# Altium PCB AI Gateway - Carrier.PcbDoc (part 2 of 3)
Units mm, origin at the board's own origin, x right, y up, seen from the top; angles counter-clockwise.
Board outline 140.01 x 100.04 mm, 4 copper layers (L1, L2/GND, L3/PWR, L4), stack 1.55 mm thick; 244 components, 230 nets, 1110 pads, 346 vias.
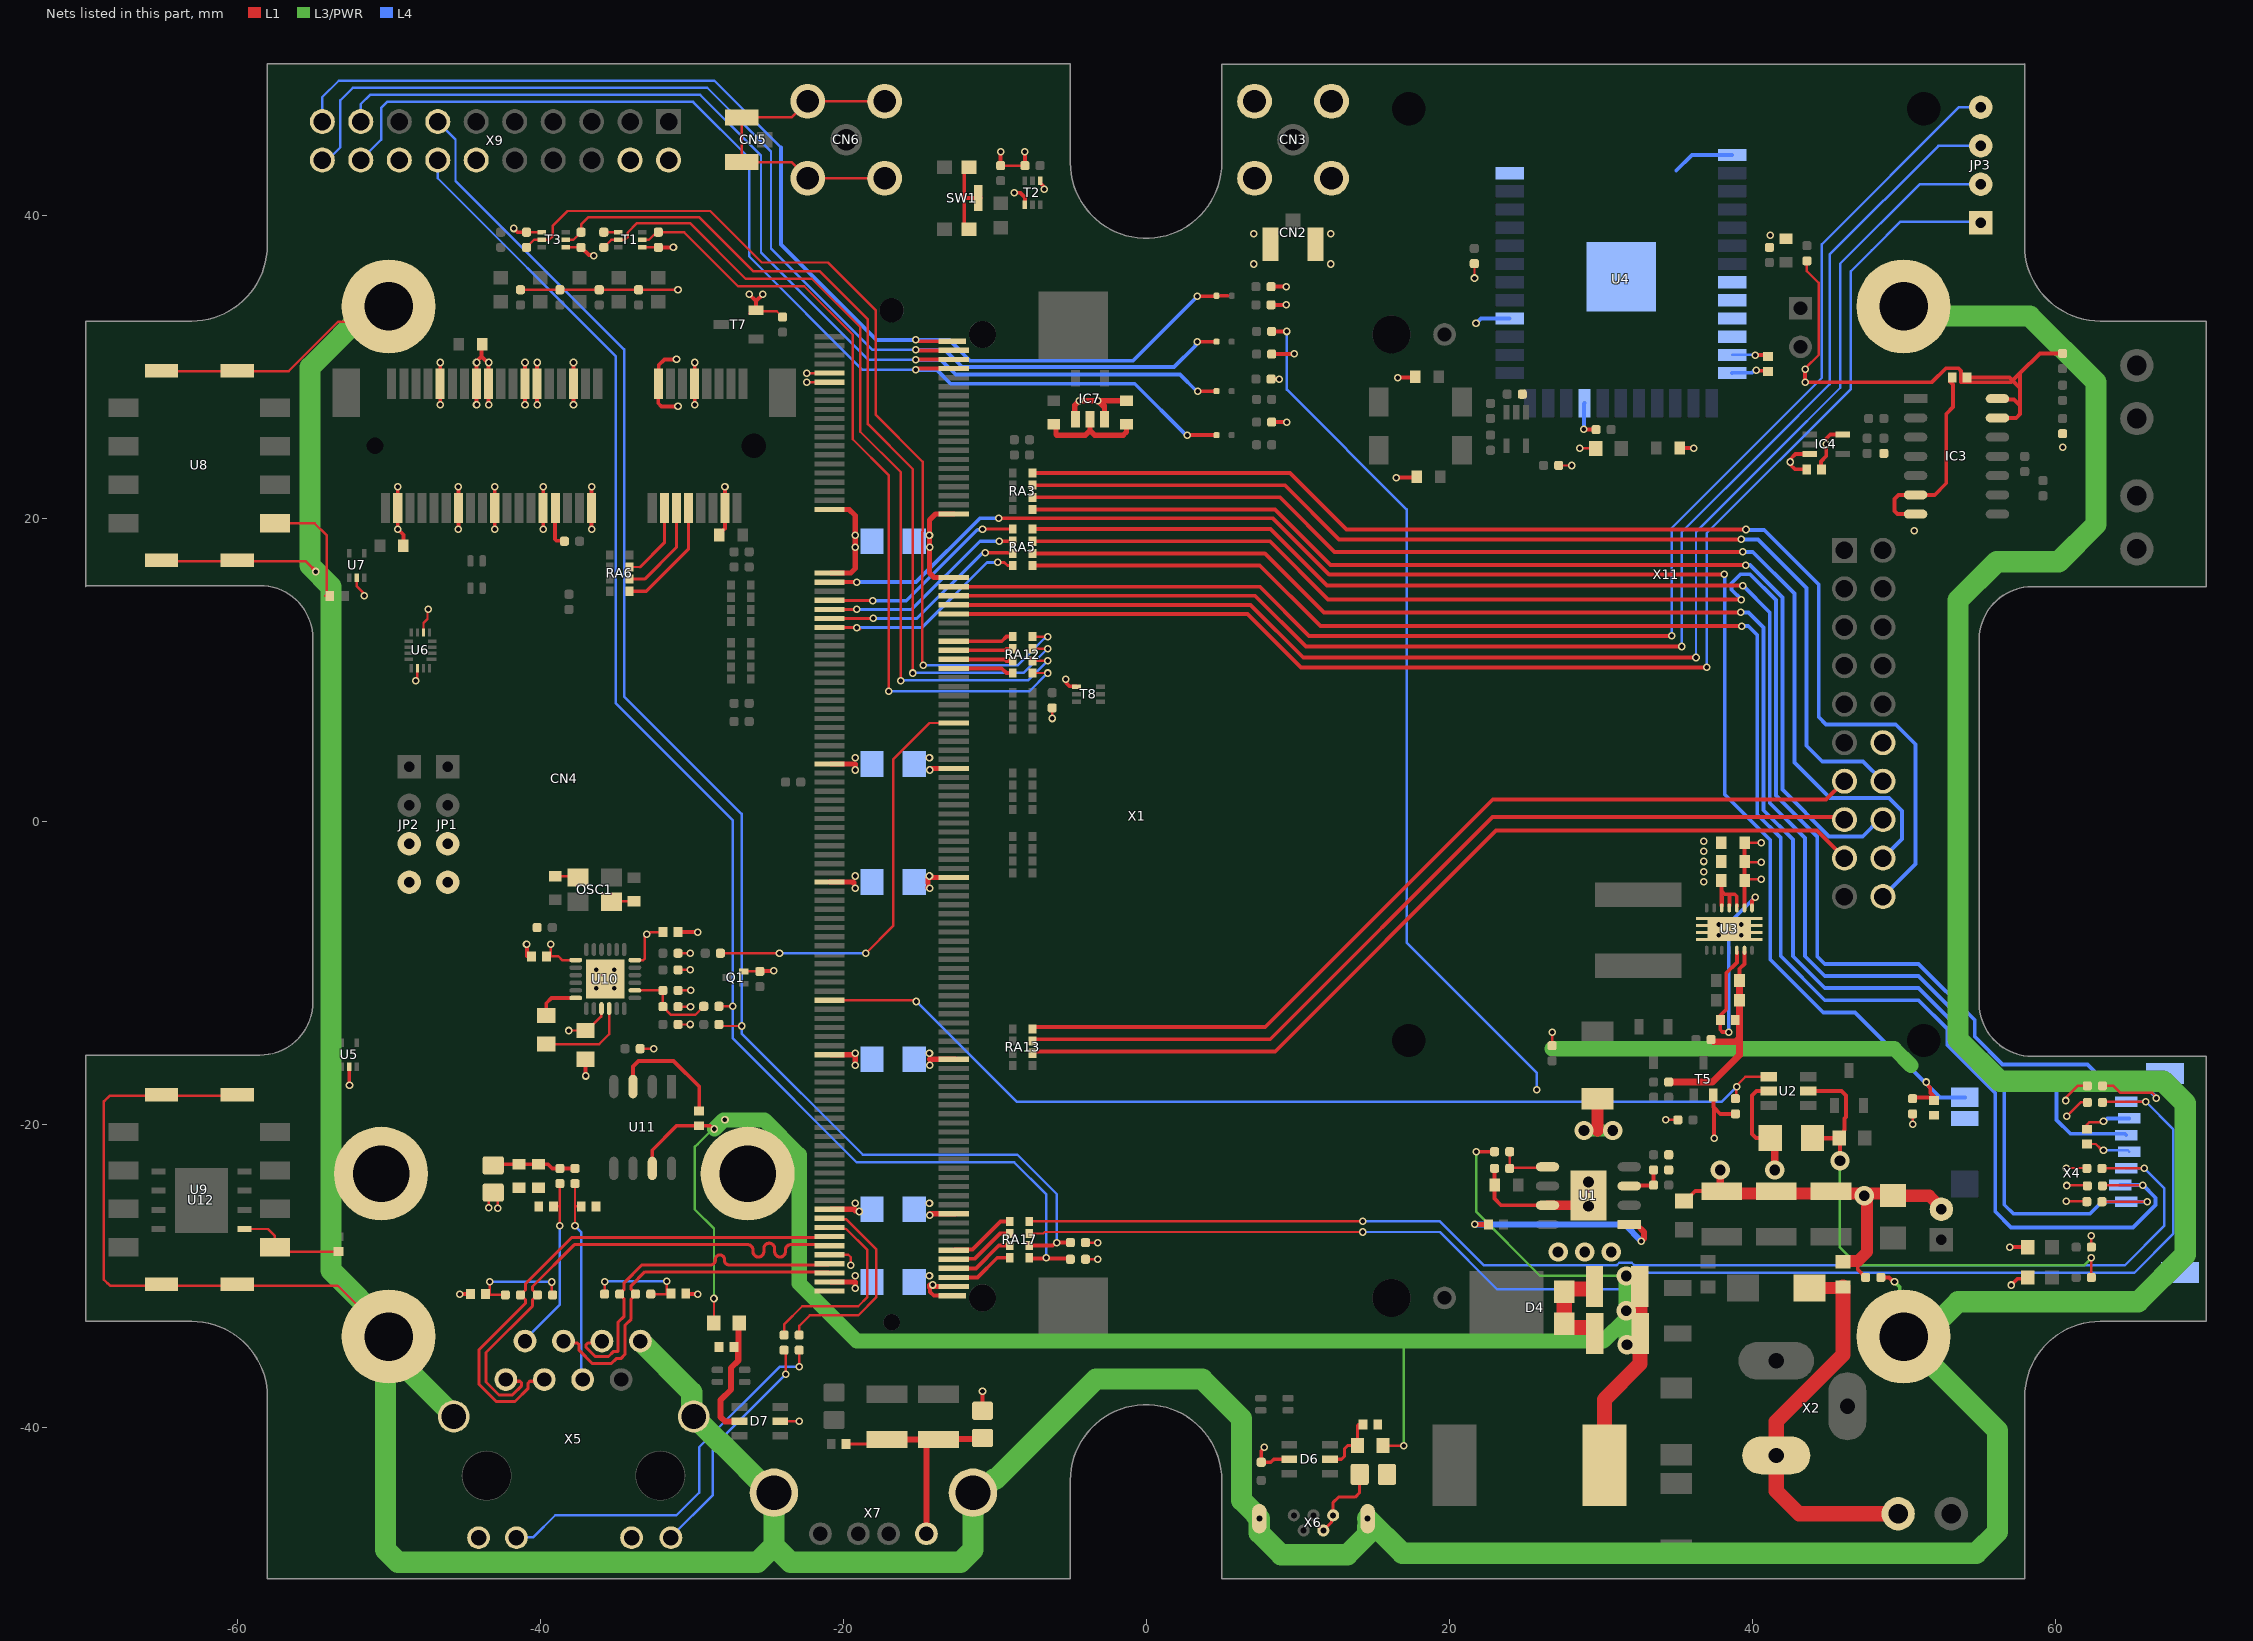
[diagram p4: the nets of this part, all layers, seen from the top]

## Part data
C1 C2 C3 C4 C5 C6: library part C-4.7uF-50V-20%-1210, "Capacitor Ceramic X7R 4.7uF 50V 20% 1206", Rating=50V, Supplier Part Number 1=1276-2789-1-ND, TOLERANCE=10%, FP_DESC=C1206, Supplier 1=Digi-Key, Type=X7R
C7 C11 C27 C28 C29 C30 C31 C34 C35 C39 C40 C46 C55 C56 C57 C58 C60 C61 C62: library part C-100nF-16V-10%-0603, "Capacitor Ceramic X7R 100nF 16V 10% 0603", Rating=16V, Supplier Part Number 1=1276-1001-1-ND, TOLERANCE=10%, Footprint Checked=-, FP_DESC=C0402, Supplier 1=Digi-Key, Type=X7R
C8 C9 C10: library part C-10uF-50V-20%-1210, "Capacitor Ceramic X5R 10uF 50V 20% 1210", Rating=50V, Supplier Part Number 1=587-2225-1-ND, TOLERANCE=20%, FP_DESC=C1210, Supplier 1=Digi-Key, Type=X7R
C14: library part C-0.22uF-50V-10%-0805, "Capacitor Ceramic X7R 0.22uF 50V 10% 0805", Rating=50V, Supplier Part Number 1=1276-1093-1-ND, TOLERANCE=10%, FP_DESC=C0805, Supplier 1=Digi-Key, Type=X7R
C15 C16 C38 C59: library part C-47uF-10V-20%-1210, "Capacitor Ceramic X5R 47uF 10V 20% 1210", Rating=10V, Supplier Part Number 1=445-6711-1-ND, TOLERANCE=20%, FP_DESC=C1210, Supplier 1=Digi-Key, Type=X5R
C17 C18: library part C-10uF-10V-20%-1206, "Capacitor Tantalum 10uF 10V 20% 1206", Rating=10V, Supplier Part Number 1=478-1657-1-ND, TOLERANCE=20%, FP_DESC=C1206, Supplier 1=Digi-Key, Type=Tantalum
C19 C47: library part C-27nF-50V-10%-0603, "Capacitor Ceramic X7R 27nF 50V 10% 0603", Rating=50V, Supplier Part Number 1=1276-2025-1-ND, TOLERANCE=10%, FP_DESC=C0603, Supplier 1=Digi-Key, Type=X7R
C20 C21: library part C-2.2uF-6.3V-20%-0603, "Capacitor Ceramic X5R 2.2uF 6.3V 20% 0603", Rating=6.3V, Supplier Part Number 1=311-1814-1-ND, TOLERANCE=20%, FP_DESC=C0603, Supplier 1=Digi-Key, Type=X5R
C22 C23 C45 C48 C49 C50: library part C-10uF-6.3V-20%-0603, "Capacitor Ceramic X5R 10uF 6.3V 20% 0603", Rating=6.3V, Supplier Part Number 1=490-3896-1-ND, TOLERANCE=20%, FP_DESC=C0603, Supplier 1=Digi-Key, Type=X7R
C24 C25 C26: library part C-22uF-6.3V-20%-0603, "Capacitor Ceramic X5R 22uF 6.3V 20% 0603", Rating=6.3V, Supplier Part Number 1=445-8028-1-ND, TOLERANCE=20%, FP_DESC=C0603, Supplier 1=Digi-Key, Type=X5R
C32 C33: library part C-47uF-6.3V-20%-0603, "Capacitor Ceramic X5R 47uF 6.3V 20% 0603", Rating=6.3V, Supplier Part Number 1=490-13247-1-ND, TOLERANCE=20%, FP_DESC=C0603, Supplier 1=Digi-Key, Type=X5R
C36 C37: library part C-22pF-50V-10%-0603, "Capacitor Ceramic C0G 22pF 50V 10% 0603", Rating=50V, Supplier Part Number 1=478-7914-1-ND, TOLERANCE=10%, FP_DESC=C0603, Supplier 1=Digi-Key, Type=C0G
C41 C44: library part C-1uF-25V-10%-0805, "Capacitor Ceramic X7R 1uF 25V 10% 0805", Rating=25V, Supplier Part Number 1=399-8004-1-ND, TOLERANCE=10%, FP_DESC=C0805, Supplier 1=Digi-Key, Type=X7R
C42 C43: library part C-18pF-50V-5%-0603, "Capacitor Ceramic C0G 18pF 50V 5% 0603", Rating=50V, Supplier Part Number 1=311-1061-1-ND, TOLERANCE=5%, FP_DESC=C0603, Supplier 1=Digi-Key, Type=C0G
CN1: library part CON-JST-B2B-PH-K-S(LF)(SN), "Connector Header Through Hole 2 position 0.079\" (2.00mm)", Supplier Part Number 1=455-1704-ND, Footprint Checked="Assign OK, Footprint OK", FP_DESC="Header, Male pins, 1x2, 2mm, Vertical", MFG=JST, MFG_PN=B2B-PH-K-S(LF)(SN), Supplier 1=Digi-Key, Symbol Checked=Ok
CN2 CN5: library part CON-TE-A118077CT-ND, "U.FL (UMCC) Connector Jack, Male Pin 50Ohm Surface Mount Solder", Supplier Part Number 1=A118077DKR-ND, Footprint Checked="Assign OK, Footprint OK", FP_DESC="U.FL connector", MFG="TE Connectivity AMP Connectors", MFG_PN=A118077CT-ND, Supplier 1=Digi-Key, Symbol Checked=Ok
CN3: library part CON-Taoglas-PCB.RPSMAFRA.HT, "RP-SMA Conector Jack, clavija macho 50Ohm Orificio pasante, ángulo recto Soldadura", Supplier Part Number 1=931-1360-ND, Footprint Checked="Assign OK, Footprint OK", FP_DESC="SMA, Right angle", MFG="Taoglas Limited", MFG_PN=PCB.SMAFRA.HT, Supplier 1=Digi-Key, Symbol Checked=Ok
CN4: library part CON-TE-2041262-1, "52 Position Female Connector PCI Express Mini Card Gold 0.031\" (0.80mm) Black", Supplier Part Number 1=A125147CT-ND, Footprint Checked="Assign OK, Footprint OK", FP_DESC=miniPCIe, MFG=TE, MFG_PN=2041262-1, Supplier 1=Digi-Key, Symbol Checked=Ok
CN6: library part CON-Taoglas-PCB.SMAFRA.HT, "SMA Connector Jack, Female Socket 50Ohm Through Hole, Right Angle Solder", Supplier Part Number 1=931-1361-ND, Footprint Checked="Assign OK, Footprint OK", FP_DESC="SMA, Right angle", MFG="Taoglas Limited", MFG_PN=PCB.SMAFRA.HT, Supplier 1=Digi-Key, Symbol Checked=Ok
D1 D3 D5: library part "D-NXP- PMEG4050ETP,115", "Diode Schottky 40V 5A Surface Mount CFP5", Supplier Part Number 1=1727-1732-1-ND, Footprint Checked=-, MFG="Nexperia USA Inc.", MFG_PN=PMEG4050ETP,115, Supplier 1=Digi-Key, Symbol Checked=-
D2: library part D-Vishay-SMAJ36CA, "58.1V Clamp 6.9A Ipp Tvs Diode Surface Mount DO-214AC (SMA)", Supplier Part Number 1=SMAJ36CALFCT-ND, Footprint Checked="Assign OK, Footprint OK", FP_DESC=SMA, MFG=Vishay, MFG_PN=SMAJ36CA, Supplier 1=Digi-Key, Symbol Checked=Ok
D4: library part D-Vishay-SS5P5-M3/87A, "Diode Schottky, SS5P5-M3/87A, 50V(Vrrm), 5A(If)", Supplier Part Number 1=SS5P5-M3/87AGICT-ND, Footprint Checked=-, MFG=Vishay, MFG_PN=SS8P6C-M3/86A, Supplier 1=Digi-Key, Symbol Checked=-
D6 D7: library part D-Semtech-RClamp0504S, "TVS Array low cap", Supplier Part Number 1=RCLAMP0504SCT-ND, Footprint Checked=-, MFG=Semtech, MFG_PN=RCLAMP0504S, Supplier 1=Digi-Key, Symbol Checked=-
F1: library part F-BEL-3A-63V, "3A 63V AC 63V DC Fuse Board Mount (Cartridge Style Excluded) Surface Mount 1206 (3216 Metric)", POWER=250mW, Supplier Part Number 1=507-1896-1-ND, Footprint Checked=-, FP_DESC=R1206, MFG=BEL, MFG_PN=0685T3000-01, Supplier 1=Digi-Key, Symbol Checked=-
IC3: library part IC-Renesas-ISL83491IBZ-T, "Transceptor 1/1 Completo RS422, RS485 14-SOIC", Supplier Part Number 1=ISL83491IBZ-TCT-ND, Footprint Checked=-, MFG="Renesas Electronics America Inc", MFG_PN=ISL83491IBZ-T, Supplier 1=Digi-Key, Symbol Checked=-
IC4 IC5: library part IC-TI-SN74LVC1G04, "IC INVERTER 1CH 1-INP SC70-5", Supplier Part Number 1=296-11600-1-ND, Footprint Checked=-, MFG="Texas Instruments", MFG_PN=SN74LVC1G04, Supplier 1=Digi-Key
  IC4: Symbol Checked="M - D"
  IC5: Symbol Checked=-
IC7: library part IC-ON-NCP511SN33T1G, "NCP511SN33T1G LDO Regulator", Supplier Part Number 1=NCP511SN33T1GOSCT-ND, Footprint Checked=-, MFG="ON Semiconductor", MFG_PN=NCP511SN33T1G, Supplier 1=Digi-Key, Symbol Checked=-
JP1 JP2 JP3: library part "Header 1x4", "Header male, 1x4 Pins, 2.54 mm pitch", Supplier Part Number 1=732-5317-ND, Footprint Checked=-, MFG="Würth Elektronik", MFG_PN=61300411121, No. of ways=1x2, Pitch="2.54 mm", Supplier 1=Digi-Key, Symbol Checked=-
JP4: "Header, 2-Pin", LatestRevisionDate=17-Jul-2002, LatestRevisionNote="Re-released for DXP Platform.", Publisher="Altium Limited"
JP7 JP8 JP9 JP10: "SMD jumper normally closed", Footprint Checked=-, Symbol Checked=-
L1 L2 L9 L12 L16: library part L-Murata-30R@100MHz-5A-0603, "30 Ohms @ 100MHz 1 Power Line Ferrite Bead 0603 (1608 Metric) 5A 10mOhm", Rating=4A, Supplier Part Number 1=490-5447-1-ND, TOLERANCE=25%, Footprint Checked="Ok, Assign Ok", MFG=EXC-ML20A390U, Supplier 1=Digi-Key, Symbol Checked=-
L3: library part L-Bourns-SRR1280-150M, "FIXED IND 15UH 5.2A 28.5MOHM SMD", Supplier Part Number 1=SRR1280-150MCT-ND, Footprint Checked=-, FP_DESC="Non Standard", MFG="Bourns Inc.", MFG_PN=SRR1280-150M, Supplier 1=Digi-Key, Symbol Checked=-
L4: library part L-1.5uH-4.2A-30%, "Inductor Ferrite core 1.5uH 4.2A 30%", Supplier Part Number 1=587-2937-1-ND, Footprint Checked=-, FP_DESC=L1008, MFG="TAIYO YUDEN", MFG_PN=NRS6028T1R5NMGJ, Supplier 1=Digi-Key, Symbol Checked=-
L5 L8 L11 L13: library part L-Murata-220R@100MHz-2A-0805, "220 Ohms @ 100MHz 1 Power Line Ferrite Bead 0805 (2012 Metric) 2A 45mOhm", Rating=4A, Supplier Part Number 1=490-1054-1-ND, TOLERANCE=25%, Footprint Checked=-, MFG=EXC-ML20A390U, Supplier 1=Digi-Key, Symbol Checked=-
L7 L10 L14: library part L-Murata-DLW21SN900SQ2-90R@100MHz-330mA-25%, "Common Mode Choke High Speed 90R 330mA", Rating=330mA, Supplier Part Number 1=490-5137-1-ND, TOLERANCE=25%, Footprint Checked=-, MFG=Murata, MFG_PN=DLW21SN900SQ2, Supplier 1=Digi-Key, Symbol Checked=-
LED1 LED5 LED8: library part LED-RED-0603, "Red 625nm LED Indication - Discrete 2V 0603 (1608 Metric)", Color=Red, Supplier Part Number 1=732-4978-1-ND, Footprint Checked=-, MFG="Würth Elektronik", MFG_PN=150060RS75000, Supplier 1=Digi-Key, Symbol Checked=-
LED2: library part LED-YELLOW-0603, "Yellow 590nm LED Indication - Discrete 2V 0603 (1608 Metric)", Color=Yellow, Supplier Part Number 1=732-4981-1-ND, Footprint Checked=-, MFG="Würth Elektronik", MFG_PN=150060YS75000, Supplier 1=Digi-Key, Symbol Checked=-
LED3 LED6 LED7: library part LED-GREEN-0603, "Green 520nm LED Indication - Discrete 3.2V 0603 (1608 Metric)", Color=Green, Supplier Part Number 1=732-4971-1-ND, Footprint Checked=-, MFG="Würth Elektronik", MFG_PN=150060GS75000, Supplier 1=Digi-Key, Symbol Checked=-
LED4: library part LED-BLUE-0603, "Blue 470nm LED Indication - Discrete 3.2V 0603 (1608 Metric)", Color=Blue, Supplier Part Number 1=732-4966-1-ND, Footprint Checked=-, MFG="Würth Elektronik", MFG_PN=150060BS75000, Supplier 1=Digi-Key, Symbol Checked=-
MH1 MH2 MH3 MH4: "PCB Mounting Holes, hole diemeter = 3.2mm, pad diameter = 6.2mm", Footprint Checked=-, Symbol Checked=-
OSC1: library part OSC-ABM8G-24.000MHZ-18-D2Y-T, "24MHz ±20ppm Crystal 18pF 60 Ohms 4-SMD, No Lead", Supplier Part Number 1=535-10273-1-ND, TOLERANCE=30ppm, Footprint Checked=-, MFG=HORIZON, MFG_PN=HEX24-24000MHz-18-50R-F-H2-T2-W2-T, Supplier 1=Digi-Key, Symbol Checked=-
OSC2: library part OSC-ABS25-32.768KHZ-T, "32.768kHz ±20ppm Cristal 12.5pF  4-SOJ, 5.50mm step", Supplier Part Number 1=535-9166-1-ND, TOLERANCE=20ppm, Footprint Checked=-, MFG=ABRACON, MFG_PN=ABS25-32.768KHZ-T, Supplier 1=Digi-Key, Symbol Checked=-
Q1: library part T-Rohm-RUM001L02T2CL, "N-Channel 20V 100mA (Ta) 150mW (Ta) Surface Mount VMT3", Supplier Part Number 1=RUM001L02T2CLCT-ND, Footprint Checked=Ok, FP_DESC=SOT-723, MFG="Rohm Semiconductor Inc.", MFG_PN=RUM001L02T2CL, Supplier 1=Digi-Key, Symbol Checked=-
R1 R2 R3 R21 R65: library part R-120R-1%-0402, "Resistor 120ohm 63mW 1% 0402", POWER=63mW, Supplier Part Number 1=541-120LCT-ND, TOLERANCE=1%, Footprint Checked=-, MFG=<GENERIC>, MFG_PN=<GENERIC>, Supplier 1=Digi-Key, Symbol Checked=-
R4 R6 R7 R10 R11 R27 R49 R52 R69 R78 R79 R81 R82 R86 R87: library part R-100K-1%-0402, "Resistor 100Kohm 63mW 1% 0402", Manufacturer=<GENERIC>, POWER=63mW, Supplier Part Number 1=541-100KLCT-ND, TOLERANCE=1%, Manufacturer Part Number=<GENERIC>, Replacement Allowed=Yes, Supplier 1=Digi-Key
R5 R68 R90 R91 R92 R93 R94: library part R-22R-1%-0402, "Resistor 22ohm 63mW 1% 0402", POWER=63mW, Supplier Part Number 1=541-22.0LCT-ND, TOLERANCE=1%, Footprint Checked=-, MFG=<GENERIC>, MFG_PN=<GENERIC>, Supplier 1=Digi-Key, Symbol Checked=-
R8 R9 R22: library part R-6.8R-1%-0402, "Resistor 6.8ohm 63mW 1% 0402", Manufacturer=<GENERIC>, POWER=63mW, Supplier Part Number 1=541-68.0LCT-ND, TOLERANCE=1%, Manufacturer Part Number=<GENERIC>, Replacement Allowed=Yes, Supplier 1=Digi-Key
R12 R13 R23 R42 R45 R63 R66 R84 R85 R89: library part R-0R-0402, "Resistor 0ohm 0402", POWER=?, Supplier Part Number 1=541-2952-1-ND, TOLERANCE=1%, Footprint Checked=-, MFG=<GENERIC>, MFG_PN=<GENERIC>, Supplier 1=Digi-Key, Symbol Checked=-
R14 R18: library part R-47K-1%-0402, "Resistor 47Kohm 63mW 1% 0402", POWER=63mW, Supplier Part Number 1=541-47.0KLCT-ND, TOLERANCE=1%, Footprint Checked=-, MFG=<GENERIC>, MFG_PN=<GENERIC>, Supplier 1=Digi-Key, Symbol Checked=-
R15 R16 R20 R35 R58 R64 R80 R83: library part R-10K-1%-0402, "Resistor 10Kohm 63mW 1% 0402", POWER=63mW, Supplier Part Number 1=541-10.0KLDKR-ND, TOLERANCE=1%, Footprint Checked=-, MFG=<GENERIC>, MFG_PN=<GENERIC>, Supplier 1=Digi-Key, Symbol Checked=-
R17: library part R-10M-1%-0402, "Resistor 10Mohm 63mW 1% 0402", POWER=63mW, Supplier Part Number 1=541-10.0MLCT-ND, TOLERANCE=1%, Footprint Checked=-, MFG=<GENERIC>, MFG_PN=<GENERIC>, Supplier 1=Digi-Key, Symbol Checked=-
R19: library part R-300K-1%-0402, "Resistor 300Kohm 63mW 1% 0402", POWER=63mW, Supplier Part Number 1=541-4882-1-ND, TOLERANCE=1%, Footprint Checked=-, MFG=<GENERIC>, MFG_PN=<GENERIC>, Supplier 1=Digi-Key, Symbol Checked=-
R24: library part R-0.1-1%-0603, "Resistor 0.1ohm 1/3W 1% 0603", POWER=1/3, Supplier Part Number 1=P17478CT-ND, TOLERANCE=1%, Footprint Checked=-, MFG=<GENERIC>, MFG_PN=<GENERIC>, Supplier 1=Digi-Key, Symbol Checked=-
R25: library part R-137K-1%-0402, "Resistor 137Kohm 63mW 1% 0402", POWER=63mW, Supplier Part Number 1=541-137KLCT-ND, TOLERANCE=1%, Footprint Checked=-, MFG=<GENERIC>, MFG_PN=<GENERIC>, Supplier 1=Digi-Key, Symbol Checked=T
R26 R31 R34: library part R-28K-1%-0402, "Resistor 28Kohm 63mW 1% 0402", POWER=63mW, Supplier Part Number 1=541-4852-1-ND, TOLERANCE=1%, Footprint Checked=-, MFG=<GENERIC>, MFG_PN=<GENERIC>, Supplier 1=Digi-Key, Symbol Checked=T
R28 R53: library part R-12K-1%-0402, "Resistor 12Kohm 63mW 1% 0402", POWER=63mW, Supplier Part Number 1=541-4063-1-ND, TOLERANCE=1%, Footprint Checked=-, MFG=<GENERIC>, MFG_PN=<GENERIC>, Supplier 1=Digi-Key, Symbol Checked=T
R29: library part R-40.2K-1%-0402, "Resistor 40.2Kohm 63mW 1% 0402", POWER=63mW, Supplier Part Number 1=541-40.2KLCT-ND, TOLERANCE=1%, Footprint Checked=-, MFG=<GENERIC>, MFG_PN=<GENERIC>, Supplier 1=Digi-Key, Symbol Checked=T
R30 R37 R38 R39 R40: library part R-68K-1%-0402_1, "Resistor 68Kohm 63mW 1% 0402", POWER=63mW, Supplier Part Number 1=541-68.0KLCT-ND, TOLERANCE=1%, Footprint Checked=-, MFG=<GENERIC>, MFG_PN=<GENERIC>, Supplier 1=Digi-Key, Symbol Checked=T
R32 R59 R60 R61 R77: library part R-1M-1%-0402, "Resistor 1Mohm 63mW 1% 0402", Manufacturer=<GENERIC>, POWER=63mW, Supplier Part Number 1=541-1.00MLCT-ND, TOLERANCE=1%, Manufacturer Part Number=<GENERIC>, Replacement Allowed=Yes, Supplier 1=Digi-Key
R33: library part R-75K-1%-0402, "Resistor 75Kohm 63mW 1% 0402", POWER=63mW, Supplier Part Number 1=541-75.0KLCT-ND, TOLERANCE=1%, Footprint Checked=-, MFG=<GENERIC>, MFG_PN=<GENERIC>, Supplier 1=Digi-Key, Symbol Checked=-
R36: library part R-33K-1%-0402, "Resistor 33Kohm 63mW 1% 0402", POWER=63mW, Supplier Part Number 1=541-33.0KLCT-ND, TOLERANCE=1%, Footprint Checked=-, MFG=<GENERIC>, MFG_PN=<GENERIC>, Supplier 1=Digi-Key, Symbol Checked=-
R41 R43 R44 R46: library part R-49.9R-1%-0402, "Resistor 49.9ohm 63mW 1% 0402", Manufacturer=<GENERIC>, POWER=63mW, Supplier Part Number 1=541-49.9LCT-ND, TOLERANCE=1%, Manufacturer Part Number=<GENERIC>, Replacement Allowed=Yes, Supplier 1=Digi-Key
R47 R48 R62: library part R-150R-1%-0402, "Resistor 150ohm 63mW 1% 0402", POWER=63mW, Supplier Part Number 1=541-CRCW0402150RFKTDCT-ND, TOLERANCE=1%, Footprint Checked=-, MFG=<GENERIC>, MFG_PN=<GENERIC>, Supplier 1=Digi-Key, Symbol Checked=-
R50: library part R-560R-1%-0402, "Resistor 560ohm 63mW 1% 0402", POWER=63mW, Supplier Part Number 1=13-AC0402FR-07560RLCT-ND, TOLERANCE=1%, Footprint Checked=-, MFG=<GENERIC>, MFG_PN=<GENERIC>, Supplier 1=Digi-Key, Symbol Checked=-
R51: library part R-1K-1%-0402, "Resistor 1Kohm 63mW 1% 0402", POWER=63mW, Supplier Part Number 1=541-1.00KLCT-ND, TOLERANCE=1%, Footprint Checked=-, MFG=<GENERIC>, MFG_PN=<GENERIC>, Supplier 1=Digi-Key, Symbol Checked=-
R54 R71 R72 R73 R74 R75 R76: library part R-280K-1%-0402, "Resistor 280Kohm 63mW 1% 0402", POWER=63mW, Supplier Part Number 1=541-280KLCT-ND, TOLERANCE=1%, Footprint Checked=-, MFG=<GENERIC>, MFG_PN=<GENERIC>, Supplier 1=Digi-Key, Symbol Checked=-
R67 R70: library part R-680R-1%-0402, "Resistor 680ohm 63mW 1% 0402", POWER=63mW, Supplier Part Number 1=541-680LCT-ND, TOLERANCE=1%, Footprint Checked=-, MFG=<GENERIC>, MFG_PN=<GENERIC>, Supplier 1=Digi-Key, Symbol Checked=-
RA1 RA2 RA3 RA5 RA6 RA7 RA12 RA13 RA17 RA18 RA20: library part RA-22R-5%-1206-div, "Resistor Array 22 R 63mW 5% 1206", Power Dissipation=63mW, Supplier Part Number 1=TC164J-22CT-ND, TOLERANCE=5%, Footprint Checked=-, MFG=Generic, Supplier 1=Digi-Key, Symbol Checked=-
SW1: library part SW-KMR211GLFS-1VA, "Power ON Switch", Rating=1VA, Supplier Part Number 1=401-1426-1-ND, Footprint Checked=-, MFG=C&N, MFG_PN=KMR211GLFS, Supplier 1=Digi-Key, Symbol Checked=-
T1 T2 T3 T8: library part T-Vishay-SI-1024X, "Mosfet Array 2 N-Channel (Dual) 20V 485mA 250mW Surface Mount SC-89-6", Supplier Part Number 1=SI1024X-T1-GE3CT-ND, Footprint Checked=-, MFG=Vishay, MFG_PN=SI-1024-X, Supplier 1=Digi-Key, Symbol Checked=-
T4: library part T-Vishay-SQ2303ES, "P-Channel 30V 2.5A (Tc) 1.9W (Tc) Surface Mount TO-236 (SOT-23)", Supplier Part Number 1=SQ2303ES-T1_GE3CT-ND, Footprint Checked=-, FP_DESC=SOT23-3, MFG=VISHAY, MFG_PN=SQ2303ES-T1_GE3, Supplier 1=Digi-Key, Symbol Checked=-
T5: library part T-NXP-BC857BW, "PNP Transistor NXP BC857BW,135", Supplier Part Number 1=1727-1882-1-ND, Footprint Checked=-, FP_DESC=SOT323, MFG=NXP, MFG_PN=BC857BW,135, Supplier 1=Digi-Key, Symbol Checked=-
T6 T7: library part T-Vishay-Si2365EDS, "MOSFET, P channel Vishay Si2365EDS-T1-GE3", Supplier Part Number 1=SI2365EDS-T1-GE3CT-ND, Footprint Checked=-, FP_DESC=SOT23-3, MFG=VISHAY, MFG_PN=Si2365EDS-T1-GE3, Supplier 1=Digi-Key, Symbol Checked=-
U1: library part IC-TI-LMR14030, "Buck Switching Regulator IC Positive Adjustable 0.8V 1 Output 3.5A 8-PowerSOIC (0.154\", 3.90mm Width)", Supplier Part Number 1=296-44321-1-ND, Footprint Checked=-, MFG="Texas Instruments", Supplier 1=Digi-Key, Symbol Checked=DMT, Type=DEV
U2: library part IC-Microchip-MCP73826, "Charger IC Lithium Ion SOT-23-6", Supplier Part Number 1=MCP73826-4.1VCHCT-ND, Footprint Checked=-, MFG=Microchip, MFG_PN=MCP73826-4.1VCHTR, Supplier 1=Digi-Key, Symbol Checked=D
U3: library part IC-TI-TPS63021, "Buck-Boost Switching Regulator IC Positive Fixed 3.3V 1 Output 3.5A (Switch) 14-VFDFN Exposed Pad", Supplier Part Number 1=296-27259-1-ND, Footprint Checked=D, MFG="Texas Instruments", Supplier 1=Digi-Key, Symbol Checked=-, Type=DEV
U4: library part IC-Microchip-ATWILC3000, "BlueTooth, WiFi 802.11b/g/n, BlueTooth v4.0 Módulos de transceptor RF 2.4GHz Antena no incluida, U.FL Montaje en superficie", Supplier Part Number 1=ATWILC3000-MR110UA-ND, Footprint Checked=-, FP_DESC="ATWILC3000-MR110CA Module", MFG=MICROCHIP, MFG_PN=ATWILC3000-MR110UA, Supplier 1=Digi-Key, Symbol Checked=M
U5 U7: library part D-DZQA5V6AXV5, "13V Clamp 2.5A (8/20µs) Ipp Tvs Diode Surface Mount 5-TSSOP", Supplier Part Number 1=DZQA5V6AXV5DICT-ND, Footprint Checked="Assign OK, Footprint OK", FP_DESC=SOT553, MFG=DIODES, MFG_PN=DZQA5V6AXV5, Supplier 1=Digi-Key, Symbol Checked=Ok
U6: library part IC-NXP-NX3DV2567, "Networking Switch IC 1 Channel 16-XQFN (1.8x2.6)", Supplier Part Number 1=568-5206-1-ND, Footprint Checked=-, FP_DESC=XFQFN-16, MFG=NXP, MFG_PN=NX3DV2567GU,115, Supplier 1=Digi-Key, Symbol Checked=D
U8 U9: library part CON-Molex-115I-AEAA, "MICRO SIM PUSH-PUSH, 6P, SMT, 1.", Supplier Part Number 1=2073-SIM7050-6-0-00-ACT-ND, Footprint Checked="Assign OK, Footprint OK", FP_DESC="microSIM card holder", MFG=GCT, MFG_PN=SIM7050-6-0-00-A, Replacement Allowed=Ask, Supplier 1=Digi-Key, Symbol Checked=Ok
U10: library part IC-Microchip-USB2422-I_MJ, "USB Hub Controller USB 2.0 USB Interface 24-QFN (4x4)", Supplier Part Number 1=USB2422-I/MJ-ND, Footprint Checked=-, Supplier 1=Digi-Key, Symbol Checked=-
U11: library part IC-Microchip-MIC2025-1, "Power Switch/Driver 1:1 N-Channel 500mA 8-MSOP", Supplier Part Number 1=MIC2025-1YM-CT-ND, Footprint Checked=-, MFG="Texas Instruments", MFG_PN=MIC2025, Supplier 1=Digi-Key, Symbol Checked=T
U12: library part IC-ST-ST4SIM-200M, "ESIM SYSTEM ON CHIP FOR M2M INDU", Footprint Checked=-, MFG=STMicroelectronics, MFG_PN=ST4SI2M0004TPIFW, Symbol Checked=-, Type=DEV
X1: library part CON-Tyco-1473005-1-200-0.6mm, "SODIMM Connector", Manufacturer Name=Tyco, Supplier Part Number 1=A121565-ND, Manufacturer Part No.=1473005-1, No. of ways=200, Supplier 1=Digi-Key
X2: library part CON-Tensility-54-00167, "Power Barrel Connector Jack 2.50mm ID (0.098\"), 5.50mm OD (0.217\") Through Hole, Right Angle", Supplier Part Number 1=839-54-00167-ND, Footprint Checked=-, MFG="Tensility International Corp", MFG_PN=54-00167, Supplier 1=Digi-Key, Symbol Checked=-
X3 X8 X10: library part CON-Phoenix-1984617-1x2-3.5mm, "2 Position Wire to Board Terminal Block Horizontal with Board 0.138\" (3.50mm) Through Hole", Supplier Part Number 1=277-1721-ND, Footprint Checked=-, MFG="Phoenix Contact", MFG_PN=1984617, No. of ways=1x2, Pitch=3.5mm, Supplier 1=Digi-Key, Symbol Checked=-
X4: library part CON-GCT-SD-MEM2051-00-195-00-A, "9 (8 + 1) Position Card Connector microSD™ Surface Mount, Right Angle Gold", Supplier Part Number 1=2073-MEM2051-00-195-00-ACT-ND, Footprint Checked=-, MFG=GCT, MFG_PN=MEM2051-00-195-00-A, No. of ways=9, Supplier 1=DigiKey, Symbol Checked=-
X5: library part CON-Pulse-JD2-0001NL, "1 Port RJ45 Magjack Connector Through Hole 10/100 Base-TX, AutoMDIX", Supplier Part Number 1=553-2363-ND, Footprint Checked=-, MFG="Pulse Electronics Network", MFG_PN=J00-0065NL, Supplier 1=Digi-Key, Symbol Checked=-
X6: library part CON-GCT-USB3105-30-A, "Micro USB OTG Connector - TH - Vertical", Supplier Part Number 1=2073-USB3105-30-ACT-ND, Footprint Checked=-, MFG=GCT, MFG_PN=USB3105-30-A, No. of ways=5, Supplier 1=Digi-Key, Symbol Checked=-
X7: library part CON-FCI-UE27AE54100, "USB Type A Connector", Manufacturer Name=FCI, Supplier Part Number 1=UE27AE54100-ND, Manufacturer Part No.=UE27AE54100, No. of ways=4, Supplier 1=Digi-Key
X9: library part CON-Adam-PH2-20-UA-2X10-2.54mm, "Connector Header Through Hole 20 position 0.100\" (2.54mm)", Supplier Part Number 1=2057-PH2-20-UA-ND, Footprint Checked=-, MFG=FCI, MFG_PN=68691-420HLF, No. of ways=2X20, Supplier 1=Digi-Key, Symbol Checked=-
X11: library part CON-Adam-PH2-20-UA-2X10-2.54mm_ThreadModule, "Connector Header Through Hole 20 position 0.100\" (2.54mm)", Supplier Part Number 1=2057-PH2-20-UA-ND, Footprint Checked=-, MFG=FCI, MFG_PN=68691-420HLF, No. of ways=2X20, Supplier 1=Digi-Key, Symbol Checked=-, System=Connector

## Via types
v1: diameter 0.5, hole 0.3, L1 to L4, 332 vias
v2: diameter 1.27, hole 0.711, L1 to L4, 14 vias

## Nets (pads, with @x,y where several pads share a name; then routed paths per layer and width w, separated by ;. In a path a pad name is that pad's centre, name@x,y a point inside that pad or via, vN(x,y) a via of type N, cw(c..) or ccw(c..) an arc to the next point about the centre after c; other vN are vias at no path point)
3.3V: C1.2 C2.2 C3.2 C4.2 C5.2 C6.2 C21.2 C24.2 C25.2 C26.2 C39.2 C40.2 C41.2 C46.2 C56.1 C57.2 C58.2 IC3.13 IC3.14 IC4.5 IC7.1 IC7.3 JP1.4 JP2.4 L5.2 L16.2 R1.2 R2.1 R3.1 R4.2 R8.1 R9.1 R14.2 R15.2 R16.2 R20.1 R22.2 R32.2 R36.2 R37.2 R38.2 R39.2 R40.2 R49.2 R58.2 R61.1 R67.2 R71.2 R79.2 R80.2 R81.2 R82.2 R83.1 T7.2 U3.3 U3.4 U3.5 U4.12 U6.14 U10.1 U10.9 U10.18 X1.40 X1.42 X1.84 X1.108 X1.148 X1.182 X1.198 X1.200 X4.4 X5.9 X5.11 X9.4 | length 150.6
  L1 w0.16: v1(-48.2,9.3) -48.1,9.4 U6.14@-48.1,10.125 ; v1(-43.4,-25.5) -43.4,-24.8 L5.2@-43.1,-24.5 ; L5.2@-43.094,-24.518 -42.794,-24.818 v1(-42.794,-25.518) ; R9.1@-41.3,35.1 v1(-30.9,35.1) ; v1(-39.3,-8.1) -39.3,-8.9 -38.8,-8.9 -38.55,-9.15 U10.1@-37.65,-9.15 ; v1(-38.1,-13.8) C41.2@-37,-13.8 -36.9,-13.8 -35.977,-12.877 -35.977,-12.377 U10.9@-35.95,-12.35 ; U10.18@-33.75,-9.15 -33.194,-9.15 -33.1,-9.056 -33.1,-7.6 v1(-32.95,-7.45) -32.858,-7.45 -32.708,-7.3 C40.2@-32.175,-7.3 ; R20.1@-33.4,-15 v1(-32.5,-15) ; R82.2@-30.9,-12.225 v1(-30.075,-12.225) ; R49.2@-30.9,-9.8 v1(-30.1,-9.8) ; R81.2@-30.9,-8.7 v1(-30.1,-8.7) ; T7.2@-26.17,33.52 -26.17,33.53 -26.02,33.68 T7.2@-26.01,33.68 ; T7.2@-25.82,33.68 T7.2@-25.75,33.75 ; T7.2@-25.75,33.68 -24.38,33.68 R79.2@-24,33.3 ; R1.2@-9.6,43.3 R4.2@-8,43.3 ; v1(-6.2,6.8) R80.2@-6.2,7.5 ; R15.2@-4,-28.9 v1(-3.2,-28.9) ; R16.2@-4,-27.8 v1(-3.2,-27.8) ; R58.2@21.665,36.826 21.679,36.812 v1(21.679,35.875) ; R32.2@26.8,-14.8 v1(26.8,-13.9) ; R14.2@27.235,23.505 27.24,23.5 v1(28.1,23.5) ; v1(28.625,24.625) 29.485,24.625 29.585,24.525 L16.2@29.685,24.625 ; C25.2@37.884,-2.7 C25.2@37.96,-2.625 ; C24.2@37.96,-3.899 37.979,-3.9 C24.2@37.995,-3.885 ; v1(40.201,30.784) v1@40.223,30.784 ; C46.2@40.956,30.784 C46.2@41.209,30.784 ; v1(43.525,29.85) 43.525,29.925 44.4,30.8 44.4,35.55 43.625,36.325 43.625,36.971 R61.1@43.663,37.009 ; IC4.5@45.929,25.621 IC4.5@46,25.55 ; v1(50.6,-20) R83.1@50.6,-19.3 ; v1(60.7,-18.42) 60.7,-18.259 61.519,-17.44 62.124,-17.44 R37.2@62.134,-17.45 ; v1@60.741,-25.075 R40.2@62.075,-25.075 ; v1@60.741,-22.875 R36.2@62.075,-22.875 ; v1(60.768,-19.464) 61.707,-18.525 62.109,-18.525 R38.2@62.134,-18.55 ; v1@60.775,-24.025 R39.2@62.109,-24.025 ; C57.2@62.1,-21.29 62.69,-21.29 62.964,-21.564 62.972,-21.564 63.108,-21.7 v1(63.2,-21.7) ; R22.2@62.4,-28.1 v1(62.4,-27.337)
  L1 w0.254: v1(-26.2,34.8) -25.75,34.35 ; T7.2@-25.75,33.75 -25.75,34.35 ; v1(-25.3,34.8) -25.75,34.35 ; -14.3,-30.753 -14.277,-30.777 ; v1(-14.096,-30.596) -14.277,-30.777 ; X1.200@-12.7,-31.3 -14.02,-31.3 -14.26,-31.06 -14.26,-30.793 -14.277,-30.777 ; R1.2@-9.6,43.3 v1(-9.6,44.2) ; R4.2@-8,43.3 v1(-8,44.2) ; R71.2@8.25,35.305 v1(9.25,35.305) ; C24.2@37.96,-3.899 C24.2@37.97,-3.91 ; U3.4@38.5,-5.58 38.513,-5.567 38.513,-4.8 ; U3.3@39,-5.58 38.987,-5.567 38.987,-4.936 38.851,-4.8 38.513,-4.8 ; v1@40.223,30.784 40.956,30.784 C46.2@41.05,30.69 ; v1(43.525,29.85) 43.5,29.825 v1(43.5,29) 51.884,29 52.801,29.917 53.619,29.917 53.787,29.749 53.787,29 57.1,29 57.2,29.1 ; C58.2@44.59,23.25 44.55,23.29 44.55,23.775 44.9,24.125 v1(44.9,24.9) 44.9,25.283 45.167,25.55 IC4.5@46,25.55 ; C56.1@54.475,29.3 57,29.3 57.2,29.1 ; IC3.13@56.2,26.64 57.44,26.64 57.7,26.9 57.7,27.446 ; IC3.14@56.2,27.91 56.264,27.846 57.3,27.846 57.7,27.446 ; R67.2@60.5,30.9 59,30.9 57.7,29.6 ; C24.2@37.97,-3.91 37.987,-3.927 37.987,-4.587 ; C24.2@37.97,-3.91 37.97,-4.944 37.987,-4.961 ; 37.987,-4.961 38.013,-4.987 38.013,-5.567 38,-5.58 37.987,-5.567 37.987,-4.961 ; 37.987,-4.961 37.987,-4.587 ; 37.987,-4.587 38.2,-4.8 38.513,-4.8 ; 57.2,29.1 57.7,28.6 ; 57.2,29.1 57.7,29.6 ; 57.7,27.446 57.7,28.6 ; 57.7,28.6 57.7,29.6
  L1 w0.35: v1@-14.4,-4.4 v1@-14.4,-4.325 ; -14.4,-4.05 -14.4,-3.725 -14.375,-3.7 X1.108@-12.812,-3.7 ; -14.3,-30.753 -14.3,-30.621 -14.275,-30.596 v1(-14.096,-30.596) ; v1@-14.3,-26 -14.3,-25.925 -14.275,-25.9 X1.182@-12.6,-25.9 ; v1@-14.3,-16.1 -14.3,-16.025 v1@-14.275,-16 ; -14.3,-15.7 X1.148@-12.6,-15.7 ; v1@-14.3,3.4 -14.3,3.475 -14.275,3.5 X1.84@-12.6,3.5 ; v1@-14.275,18.2 v1@-14.3,18.175 ; v1@-14.096,-30.7 X1.198@-12.6,-30.7 ; X1.42@-12.7,16.1 -14,16.1 -14.3,16.4 v1@-14.3,18.175 ; X1.40@-12.7,20.3 -13.9,20.3 -14.3,19.9 v1(-14.3,18.9) v1@-14.3,18.175 ; IC7.1@-4.7,26.55 -4.7,27.495 v1(-4.42,27.775) v1(-3.2,27.775) ; IC7.3@-2.75,26.55 -2.75,27.45 -2.875,27.45 v1(-3.2,27.775) ; C21.2@-1.3,27.775 v1(-3.2,27.775)
  L3/PWR w1: 26.8,-15 49.391,-15 50.5,-16.109
  L4 w0.16: U4.12@38.68,30.8 v1@40.175,30.8 ; v1(63.2,-21.7) 64.8,-21.7 X4.4@64.9,-21.8
  other v1: -14.3,-30 -14.275,-26 -14.3,-25.2 60.734,-25.082 60.768,-24.032 60.734,-22.882 -14.275,-16.1 -14.3,-15.3 -14.275,-4.4 36.821,-3.979 -14.3,-3.6 36.821,-3.309 36.821,-2.639 36.821,-1.97 36.821,-1.3 -14.275,3.4 -14.3,4.2 -14.275,18.1
5V: C7.2 C15.2 C16.2 C17.2 D5.2 L3.2 L9.1 L12.1 R21.2 R24.2 R27.2 R30.2 R73.2 T5.2 U2.5 U11.7 | length 234
  L1 w0.16: L12.1@-28.54,-33.1 -28.526,-33.086 v1(-28.526,-31.489) ; L9.1@15.64,-41.2 v1(17,-41.2) ; R21.2@62.4,-30.1 v1(62.4,-28.81)
  L1 w0.254: U11.7@-32.6,-22.9 -32.6,-21.7 -30.99,-20.09 -28.772,-20.09 -28.562,-20.3 v1(-28.5,-20.3) ; R73.2@8.292,32.347 v1(9.292,32.347) ; v1(21.8,-21.8) R30.2@23,-21.8 ; T5.2@37.45,-18.05 37.45,-18.85 37.486,-18.886 ; v1(37.5,-20.9) 37.486,-20.886 37.486,-18.886 ; R27.2@38.9,-19.3 37.9,-19.3 37.486,-18.886 ; U2.5@43.7,-17.8 45.9,-17.8 46.2,-18.1 46.2,-19.5 46.1,-19.6 46.1,-20.378 46.073,-20.405 46.073,-20.577 R24.2@45.75,-20.9 45.8,-20.95 v2(45.8,-22.4)
  L1 w0.3: C17.2@43.997,-20.9 R24.2@45.75,-20.9
  L1 w0.8: 29.8,-20.4 D5.2@29.8,-18.3
  L1 w1: L3.2@30.25,-42.5 30.25,-38.15 32.6,-35.8 C15.2@32.6,-30.7
  L3/PWR w0.16: v1(-28.526,-31.489) -28.526,-26.874 -29.8,-25.6 -29.8,-21.5 -29.6,-21.3 -28.736,-20.436 -28.728,-20.436 -28.592,-20.3 v1(-28.5,-20.3) ; v1(17,-41.2) 17,-34.3 ; v1(21.8,-21.8) 21.8,-25.78 26.02,-30 v2(31.7,-30) ; v2(45.8,-22.4) 45.8,-28.125 46.975,-29.3 61.91,-29.3 v1(62.4,-28.81)
  L3/PWR w0.8: v2(28.9,-20.4) v2(30.8,-20.4)
  L3/PWR w1: v1(-28.5,-20.3) -27.9,-19.7 v1(-27.8,-19.7) -25.2,-19.7 -22.9,-22 -22.9,-30.5 -19.1,-34.3 30.2,-34.3 v2@31.7,-32.8 ; v2(31.7,-30) v2(31.7,-32.3) v2@31.7,-32.8 ; v2(31.75,-34.55) 31.7,-34.5 v2@31.7,-32.8
  L4 w0.16: v1(9.292,32.347) 9.292,28.508 17.2,20.6 17.2,-8 25.8,-16.6 v1(25.8,-17.7)
5V_EN: R25.1 R26.2 U1.3 | length 2.6